# Altium PCB BE200.PcbDoc (part 3 of 6)
Units mm, origin at the board's own origin, x right, y up, seen from the top; angles counter-clockwise.
Board outline 91.25 x 134.75 mm, 4 copper layers (Top Layer, Mid-Top Layer, Mid-Bottom Layer, Bottom Layer); 574 components, 120 nets, 2403 pads, 3712 vias.
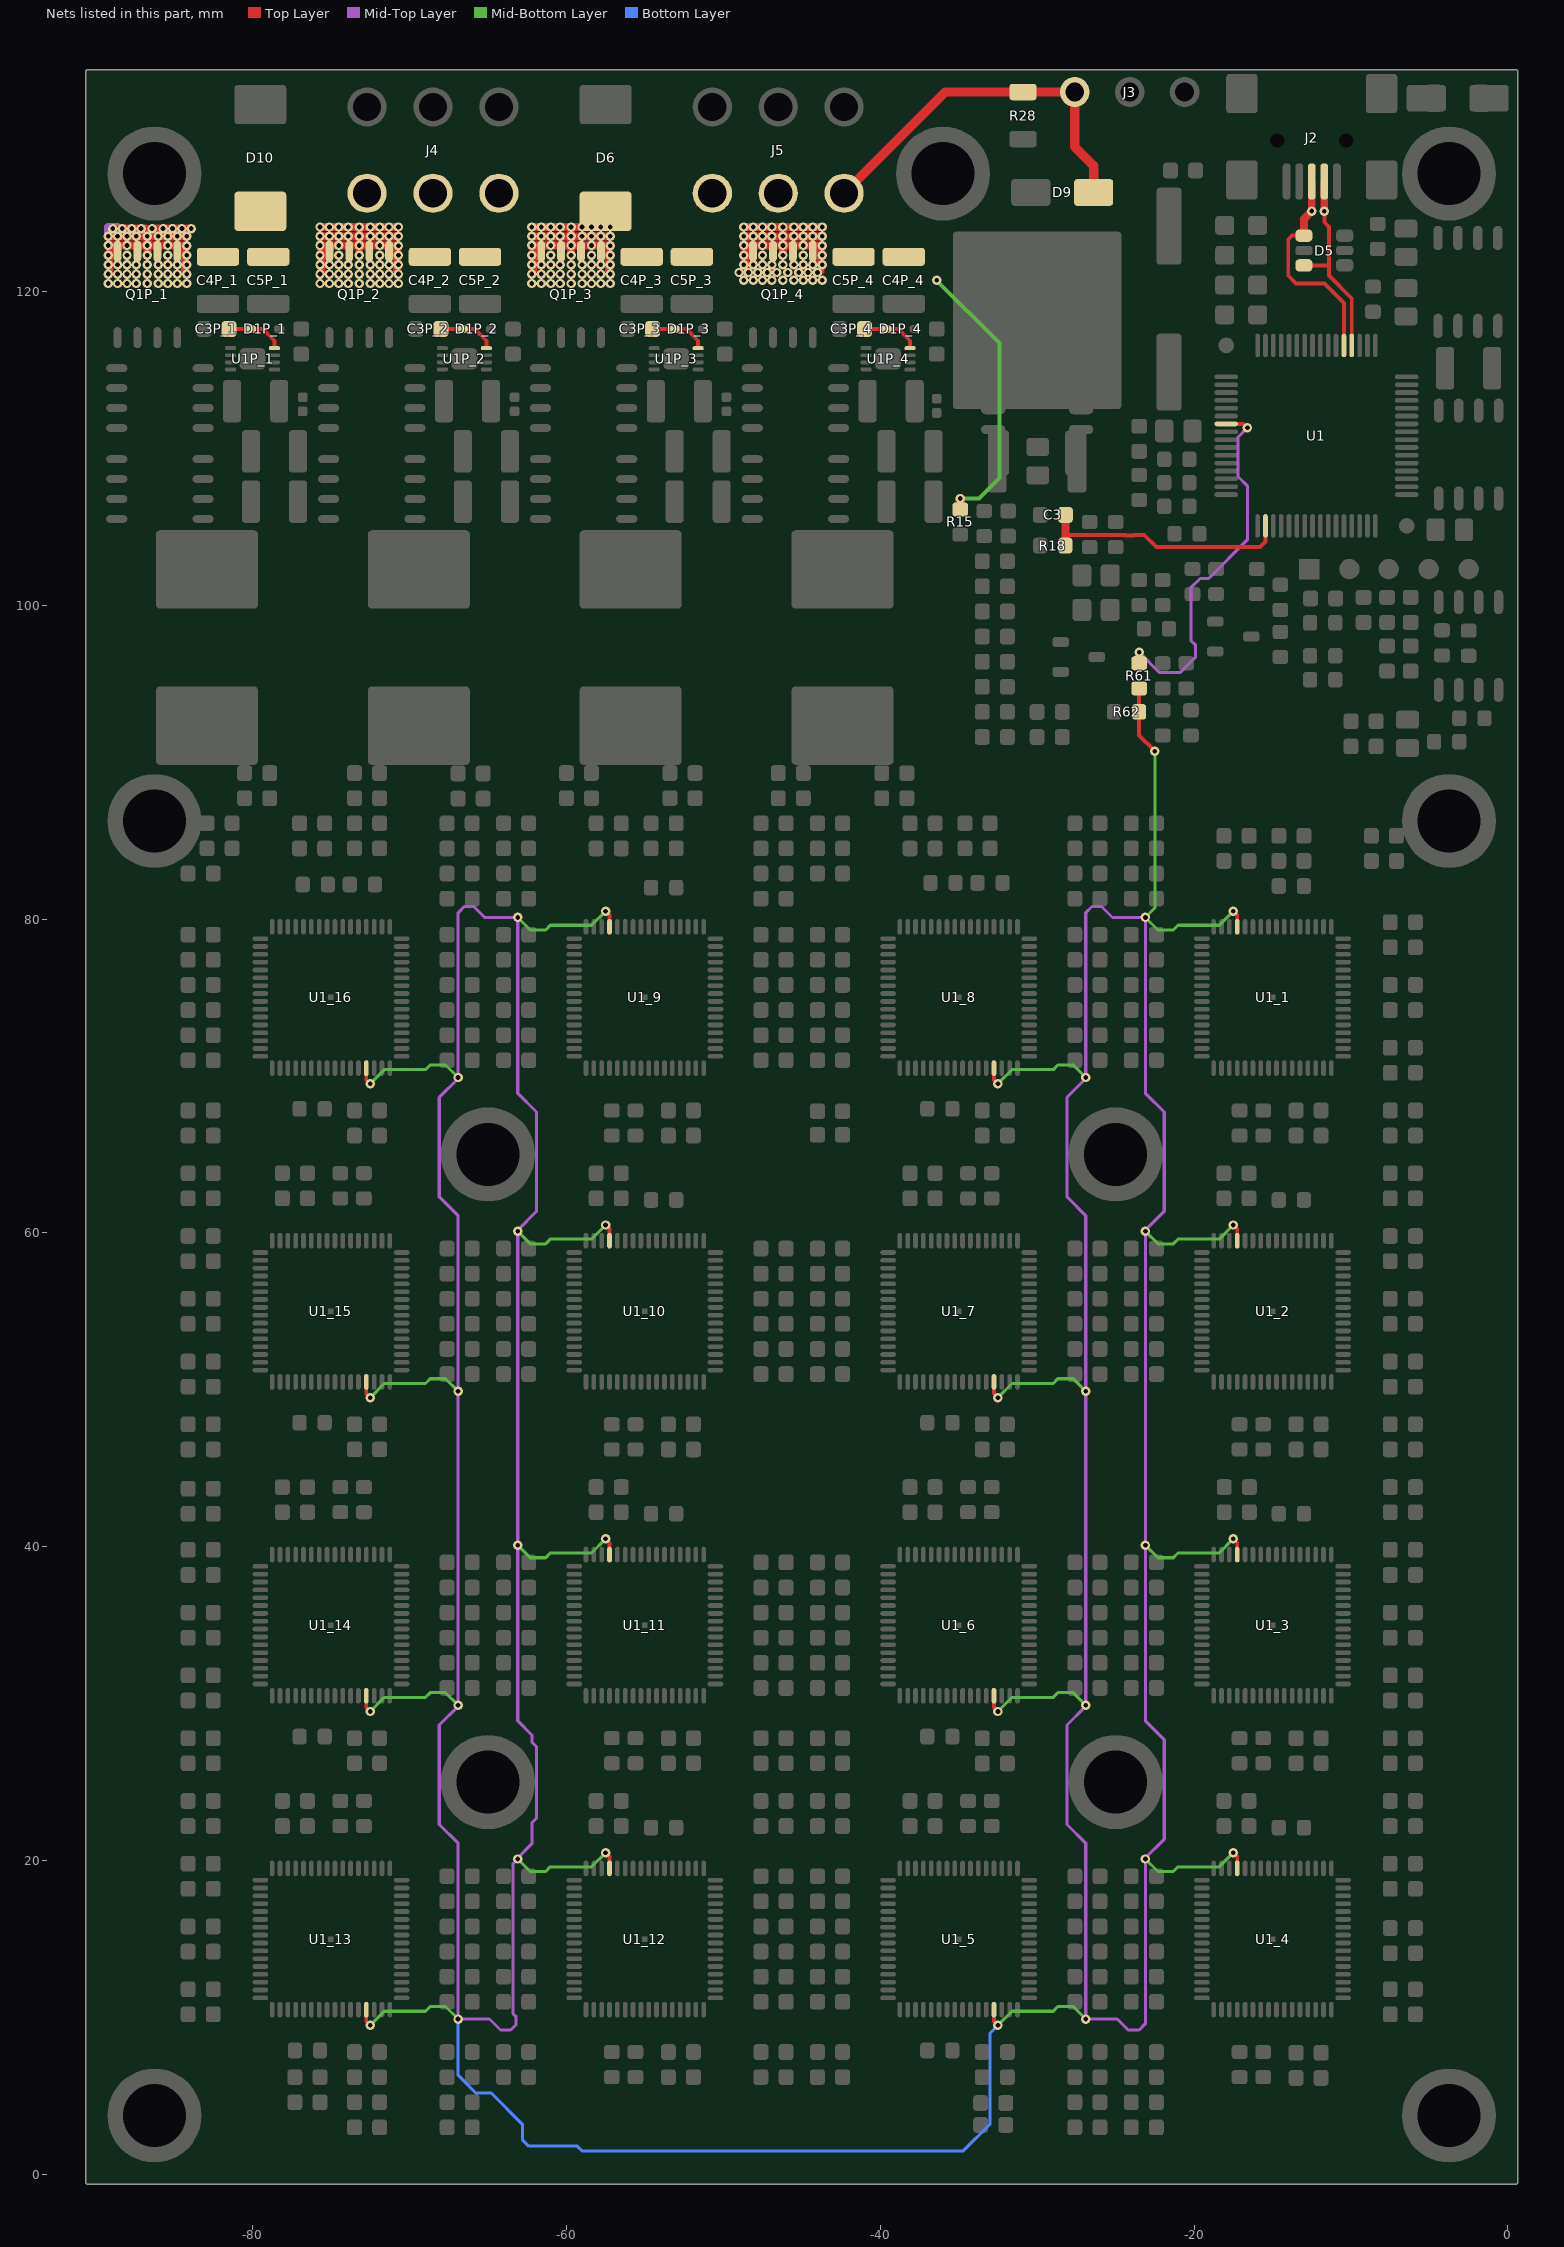
[diagram p5: the nets of this part, all layers, seen from the top]

## Via types
v1: diameter 0.6, hole 0.3, Top Layer to Bottom Layer, tented both sides, 3679 vias
v2: diameter 0.6/0.6/0.6/0.6 (per signal layer), hole 0.3, Top Layer to Bottom Layer, 33 vias

## Nets (pads, with @x,y where several pads share a name; then routed paths per layer and width w, separated by ;. In a path a pad name is that pad's centre, name@x,y a point inside that pad or via, vN(x,y) a via of type N, cw(c..) or ccw(c..) an arc to the next point about the centre after c; other vN are vias at no path point) (continued)
12V: C4P_1.1 C4P_2.1 C4P_3.1 C4P_4.1 C5P_1.1 C5P_2.1 C5P_3.1 C5P_4.1 D6.1 D9.2 D10.1 J3.3 J4.1 J4.2 J4.3 J5.1 J5.2 J5.3 Q1P_1.5 Q1P_1.6 Q1P_1.7 Q1P_1.8 Q1P_2.5 Q1P_2.6 Q1P_2.7 Q1P_2.8 Q1P_3.5 Q1P_3.6 Q1P_3.7 Q1P_3.8 Q1P_4.5 Q1P_4.6 Q1P_4.7 Q1P_4.8 R15.1 R28.2 | length 126.1
  Top Layer w0.5: v1(-89.2,123.5) v1(-88.6,123.5) v1(-88,123.5) v1(-87.4,123.5) v1(-86.7,123.5) v1(-86,123.5) v1(-85.4,123.5) v1(-84.8,123.5) v1(-84.2,123.5) ; v1@-89.1,121.2 -89.1,122.925 -84.3,122.925 v1@-84.3,121.3 ; v1(-88.9,124) v1(-88.3,124) v1(-87.7,124) v1(-87.1,124) -86.8,124 -86.7,123.9 v1(-86.7,122.3) ; v1(-86.4,124) v1(-85.7,124) v1(-85.1,124) v1(-84.5,124) v1(-83.9,124) ; v1(-75.7,123.5) v1(-70.7,123.5) ; v1(-75.7,124.1) v1(-70.7,124.1) ; v1@-75.6,121.2 -75.6,122.925 -70.8,122.925 v1@-70.8,121.3 ; v1(-73.2,122.3) v1(-73.2,124.1) ; v1(-62.2,123.5) v1(-57.2,123.5) ; v1(-62.2,124.1) v1(-57.2,124.1) ; v1@-62.1,121.2 -62.1,122.925 -57.3,122.925 v1@-57.3,121.3 ; v1(-59.7,122.3) v1(-59.7,124.1) ; v1(-48.7,123.5) v1(-43.7,123.5) ; v1(-48.7,124.1) v1(-43.7,124.1) ; v1@-48.6,121.2 -48.6,122.925 -43.8,122.925 v1@-43.8,121.3 ; v1(-46.2,122.3) v1(-46.2,124.1)
  Top Layer w0.6: J5.1@-42.3,126.25 -35.85,132.7 J3.3@-27.6,132.7 ; R15.1@-34.9,106.1 v1(-34.9,106.8) ; R28.2@-30.9,132.7 J3.3@-27.6,132.7 ; D9.2@-26.4,126.3 -26.4,128 -27.6,129.2 J3.3@-27.6,132.7
  Mid-Top Layer w0.5: v1(-89.2,123.5) -89.2,124.1 -88.6,124.1
  Mid-Bottom Layer w0.25: v1(-36.4,120.7) -32.4,116.7 -32.4,108.1 -33.7,106.8 v1(-34.9,106.8)
  other v1: -89.2,120.5 -88.6,120.5 -88,120.5 -87.4,120.5 -86.7,120.5 -86,120.5 -85.4,120.5 -84.8,120.5 -84.2,120.5 -75.7,120.5 -75.1,120.5 -74.5,120.5 -73.9,120.5 -73.2,120.5 -72.5,120.5 -71.9,120.5 -71.3,120.5 -70.7,120.5 -62.2,120.5 -61.6,120.5 -61,120.5 -60.4,120.5 -59.7,120.5 -59,120.5 -58.4,120.5 -57.8,120.5 -57.2,120.5 -48.7,120.7 -48.1,120.7 -47.5,120.7 -46.9,120.7 -46.2,120.7 -45.5,120.7 -44.9,120.7 -44.3,120.7 -43.7,120.7 -89.2,121.1 -88.6,121.1 -88,121.1 -87.4,121.1 -86.7,121.1 -86,121.1 -85.4,121.1 -84.8,121.1 -84.2,121.1 -75.7,121.1 -75.1,121.1 -74.5,121.1 -73.9,121.1 -73.2,121.1 -72.5,121.1 -71.9,121.1 -71.3,121.1 -70.7,121.1 -62.2,121.1 -61.6,121.1 -61,121.1 -60.4,121.1 -59.7,121.1 -59,121.1 -58.4,121.1 -57.8,121.1 -57.2,121.1 -49,121.2 -48.4,121.2 -47.8,121.2 -47.2,121.2 -46.6,121.2 -45.9,121.2 -45.2,121.2 -44.6,121.2 -44,121.2 -89.2,121.7 -88.6,121.7 -88,121.7 -87.4,121.7 -86.7,121.7 -86,121.7 -85.4,121.7 -84.8,121.7 -84.2,121.7 -75.7,121.7 -75.1,121.7 -74.5,121.7 -73.9,121.7 -73.2,121.7 -72.5,121.7 -71.9,121.7 -71.3,121.7 -70.7,121.7 -62.2,121.7 -61.6,121.7 -61,121.7 -60.4,121.7 -59.7,121.7 -59,121.7 -58.4,121.7 -57.8,121.7 -57.2,121.7 -48.7,121.7 -48.1,121.7 -47.5,121.7 -46.9,121.7 -46.2,121.7 -45.5,121.7 -44.9,121.7 -44.3,121.7 -43.7,121.7 -89.2,122.3 -88,122.3 -85.4,122.3 -84.2,122.3 -75.7,122.3 -74.5,122.3 -71.9,122.3 -70.7,122.3 -62.2,122.3 -61,122.3 -58.4,122.3 -57.2,122.3 -48.7,122.3 -47.5,122.3 -44.9,122.3 -43.7,122.3 -84.2,122.9 -70.7,122.9 -57.2,122.9 -43.7,122.9 -89.2,122.925 -88,122.925 -86.7,122.925 -85.4,122.925 -75.7,122.925 -74.5,122.925 -73.2,122.925 -71.9,122.925 -62.2,122.925 -61,122.925 -59.7,122.925 -58.4,122.925 -48.7,122.925 -47.5,122.925 -46.2,122.925 -44.9,122.925 -75.1,123.5 -74.5,123.5 -73.9,123.5 -73.2,123.5 -72.5,123.5 -71.9,123.5 -71.3,123.5 -61.6,123.5 -61,123.5 -60.4,123.5 -59.7,123.5 -59,123.5 -58.4,123.5 -57.8,123.5 -48.1,123.5 -47.5,123.5 -46.9,123.5 -46.2,123.5 -45.5,123.5 -44.9,123.5 -44.3,123.5 -75.1,124.1 -74.5,124.1 -73.9,124.1 -72.5,124.1 -71.9,124.1 -71.3,124.1 -61.6,124.1 -61,124.1 -60.4,124.1 -59,124.1 -58.4,124.1 -57.8,124.1 -48.1,124.1 -47.5,124.1 -46.9,124.1 -45.5,124.1 -44.9,124.1 -44.3,124.1
BOOT1: C3P_1.1 D1P_1.1 U1P_1.8 | length 3.7
  Top Layer w0.25: C3P_1.1@-81.5,117.6 D1P_1.1@-80.1,117.6 -79.35,117.6 -78.6,116.85 U1P_1.8@-78.6,116.375
BOOT2: C3P_2.1 D1P_2.1 U1P_2.8 | length 3.7
  Top Layer w0.25: C3P_2.1@-68,117.6 D1P_2.1@-66.6,117.6 -65.85,117.6 -65.1,116.85 U1P_2.8@-65.1,116.375
BOOT3: C3P_3.1 D1P_3.1 U1P_3.8 | length 3.7
  Top Layer w0.25: C3P_3.1@-54.5,117.6 D1P_3.1@-53.1,117.6 -52.35,117.6 -51.6,116.85 U1P_3.8@-51.6,116.375
BOOT4: C3P_4.1 D1P_4.1 U1P_4.8 | length 3.7
  Top Layer w0.25: C3P_4.1@-41,117.6 D1P_4.1@-39.6,117.6 -38.85,117.6 -38.1,116.85 U1P_4.8@-38.1,116.375
BS: R61.1 R62.2 U1_1.13 U1_2.13 U1_3.13 U1_4.13 U1_5.13 U1_6.13 U1_7.13 U1_8.13 U1_9.13 U1_10.13 U1_11.13 U1_12.13 U1_13.13 U1_14.13 U1_15.13 U1_16.13 | length 490.4
  Top Layer w0.25: U1_13.13@-72.75,10.5 -72.75,9.75 v1(-72.5,9.5) ; U1_14.13@-72.75,30.5 -72.75,29.75 v1(-72.5,29.5) ; U1_15.13@-72.75,50.5 -72.75,49.75 v1(-72.5,49.5) ; U1_16.13@-72.75,70.5 -72.75,69.75 v1(-72.5,69.5) ; v1(-57.5,20.5) -57.25,20.25 U1_12.13@-57.25,19.5 ; v1(-57.5,40.5) -57.25,40.25 U1_11.13@-57.25,39.5 ; v1(-57.5,60.5) -57.25,60.25 U1_10.13@-57.25,59.5 ; v1(-57.5,80.5) -57.25,80.25 U1_9.13@-57.25,79.5 ; U1_5.13@-32.75,10.5 -32.75,9.75 v1(-32.5,9.5) ; U1_6.13@-32.75,30.5 -32.75,29.75 v1(-32.5,29.5) ; U1_7.13@-32.75,50.5 -32.75,49.75 v1(-32.5,49.5) ; U1_8.13@-32.75,70.5 -32.75,69.75 v1(-32.5,69.5) ; R61.1@-23.7,94.9 R61.1@-23.5,94.7 -23.5,91.7 v1(-22.5,90.7) ; v1(-17.5,20.5) -17.25,20.25 U1_4.13@-17.25,19.5 ; v1(-17.5,40.5) -17.25,40.25 U1_3.13@-17.25,39.5 ; v1(-17.5,60.5) -17.25,60.25 U1_2.13@-17.25,59.5 ; v1(-17.5,80.5) -17.25,80.25 U1_1.13@-17.25,79.5
  Mid-Top Layer w0.2: v1@-66.9,69.834 -68.1,68.634 -68.1,62.3 -66.9,61.1 -66.9,29.834 -68.1,28.634 -68.1,22.3 -66.9,21.1 v1(-66.9,9.9) -64.9,9.9 -64.2,9.2 -63.551,9.2 -63.2,9.551 -63.2,10.049 -63.4,10.249 -63.4,19.8 v1(-63.1,20.1) -63.1,20.166 -62.2,21.066 -62.2,22.397 -61.9,22.697 -61.9,27.253 -62.2,27.553 -62.2,28 -63.1,28.9 v1(-63.1,40.1) v1(-63.1,60.1) -63.1,60.166 -61.9,61.366 -61.9,67.7 -63.1,68.9 v1(-63.1,80.1) -65.2,80.1 -65.9,80.8 -66.5,80.8 -66.9,80.4 v1(-66.9,69.9) ; -28.1,22.3 -28.1,28.634 -26.9,29.834 -26.9,61.1 -28.1,62.3 -28.1,68.634 -26.9,69.834 -26.9,80.4 -26.5,80.8 -25.9,80.8 -25.2,80.1 v1(-23.1,80.1) -23.1,68.9 -21.9,67.7 -21.9,61.366 -23.1,60.166 v1(-23.1,60.1) v1(-23.1,40.1) -23.1,28.9 -21.9,27.7 -21.9,21.366 -23.1,20.166 v1(-23.1,20.1) -23.1,9.6 -23.5,9.2 -24.2,9.2 -24.9,9.9 v1(-26.9,9.9) -26.9,21.1 -28.1,22.3
  Mid-Bottom Layer w0.2: v1(-72.5,9.5) -71.6,10.4 -68.975,10.4 -68.675,10.7 -67.7,10.7 v1(-66.9,9.9) ; v1(-72.5,29.5) -71.6,30.4 -68.975,30.4 -68.675,30.7 -67.7,30.7 v1(-66.9,29.9) ; v1(-72.5,49.5) -71.6,50.4 -68.975,50.4 -68.675,50.7 -67.7,50.7 v1(-66.9,49.9) ; v1(-72.5,69.5) -71.6,70.4 -68.975,70.4 -68.675,70.7 -67.7,70.7 v1(-66.9,69.9) ; v1(-63.1,20.1) -62.3,19.3 -61.325,19.3 -61.025,19.6 -58.4,19.6 v1(-57.5,20.5) ; v1(-63.1,40.1) -62.3,39.3 -61.325,39.3 -61.025,39.6 -58.4,39.6 v1(-57.5,40.5) ; v1(-63.1,60.1) -62.3,59.3 -61.325,59.3 -61.025,59.6 -58.4,59.6 v1(-57.5,60.5) ; v1(-63.1,80.1) -62.3,79.3 -61.325,79.3 -61.025,79.6 -58.4,79.6 v1(-57.5,80.5) ; v1(-32.5,9.5) -31.6,10.4 -28.975,10.4 -28.675,10.7 -27.7,10.7 v1(-26.9,9.9) ; v1(-32.5,29.5) -31.6,30.4 -28.975,30.4 -28.675,30.7 -27.7,30.7 v1(-26.9,29.9) ; v1(-32.5,49.5) -31.6,50.4 -28.975,50.4 -28.675,50.7 -27.7,50.7 v1(-26.9,49.9) ; v1(-32.5,69.5) -31.6,70.4 -28.975,70.4 -28.675,70.7 -27.7,70.7 v1(-26.9,69.9) ; v1(-23.1,20.1) -22.3,19.3 -21.325,19.3 -21.025,19.6 -18.4,19.6 v1(-17.5,20.5) ; v1(-23.1,40.1) -22.3,39.3 -21.325,39.3 -21.025,39.6 -18.4,39.6 v1(-17.5,40.5) ; v1(-23.1,60.1) -22.3,59.3 -21.325,59.3 -21.025,59.6 -18.4,59.6 v1(-17.5,60.5) ; v1(-22.5,90.7) -22.5,80.7 v1(-23.1,80.1) -22.3,79.3 -21.325,79.3 -21.025,79.6 -18.4,79.6 v1(-17.5,80.5)
  Bottom Layer w0.2: v1(-66.9,9.9) -66.9,6.314 -65.771,5.186 -64.786,5.186 -62.8,3.2 -62.8,2.214 -62.386,1.8 -59.3,1.8 -59,1.5 -34.7,1.5 -33,3.2 -33,9 v1(-32.5,9.5)
BS_MCU: R61.2 U1.55 | length 23.4
  Top Layer w0.25: U1.55@-17.95,111.55 -16.85,111.55
  Top Layer w0.5: R61.2@-23.5,96.3 v1(-23.5,97)
  Mid-Top Layer w0.2: v1(-23.5,97) -22.2,95.7 -20.9,95.7 -19.9,96.7 -19.9,97.45 -20.2,97.75 -20.2,101.099 -19.599,101.7 -19.069,101.7 -16.6,104.169 -16.6,107.6 -17.2,108.2 -17.2,110.7 v1(-16.6,111.3)
D+: D5.1 J2.3 U1.37 | length 13.9
  Top Layer w0.25: D5.1@-13,123.55 -13.75,123.55 -14,123.3 -14,121 -13.5,120.5 -11.7,120.5 -10.45,119.25 U1.37@-10.45,116.55
  Top Layer w0.5: D5.1@-13,123.55 -13,124.613 v1(-12.5,125.113) J2.3@-12.5,126.9
D-: D5.3 J2.2 U1.36 | length 12.7
  Top Layer w0.25: D5.3@-13,121.65 -11.4,121.65 ; v1(-11.7,125.1) -11.7,124.4 -11.4,124.1 -11.4,121.65 ; U1.36@-9.95,116.55 -9.95,119.55 -11.4,121 -11.4,121.65
  Top Layer w0.5: v1(-11.7,125.1) J2.2@-11.7,126.9
FB: C3.1 R18.1 U1.2 | length 15.7
  Top Layer w0.25: R18.1@-28.2,104.25 R18.1@-28.175,104.225 ; -28.175,104.475 -24.384,104.475 -24.359,104.45 -23.841,104.45 -23.816,104.475 -23.175,104.475 -22.4,103.7 -15.8,103.7 -15.45,104.05 U1.2@-15.45,105.05
  Top Layer w0.5: R18.1@-28.2,104.25 C3.1@-28.2,105.75